# Altium PCB LimeSDR-X3_1v2.PcbDoc (part 10 of 25)
Units mm, origin at the board's own origin, x right, y up, seen from the top; angles counter-clockwise.
Board outline 232.5 x 111.15 mm, 12 copper layers (Top, L2, L3, L4, L5, L6, L7, L8, L9, L10, L11, Bottom), stack 1.596 mm thick; 2084 components, 1388 nets, 8919 pads, 3667 vias.
Unrouted connection lines stored in the file: 1.
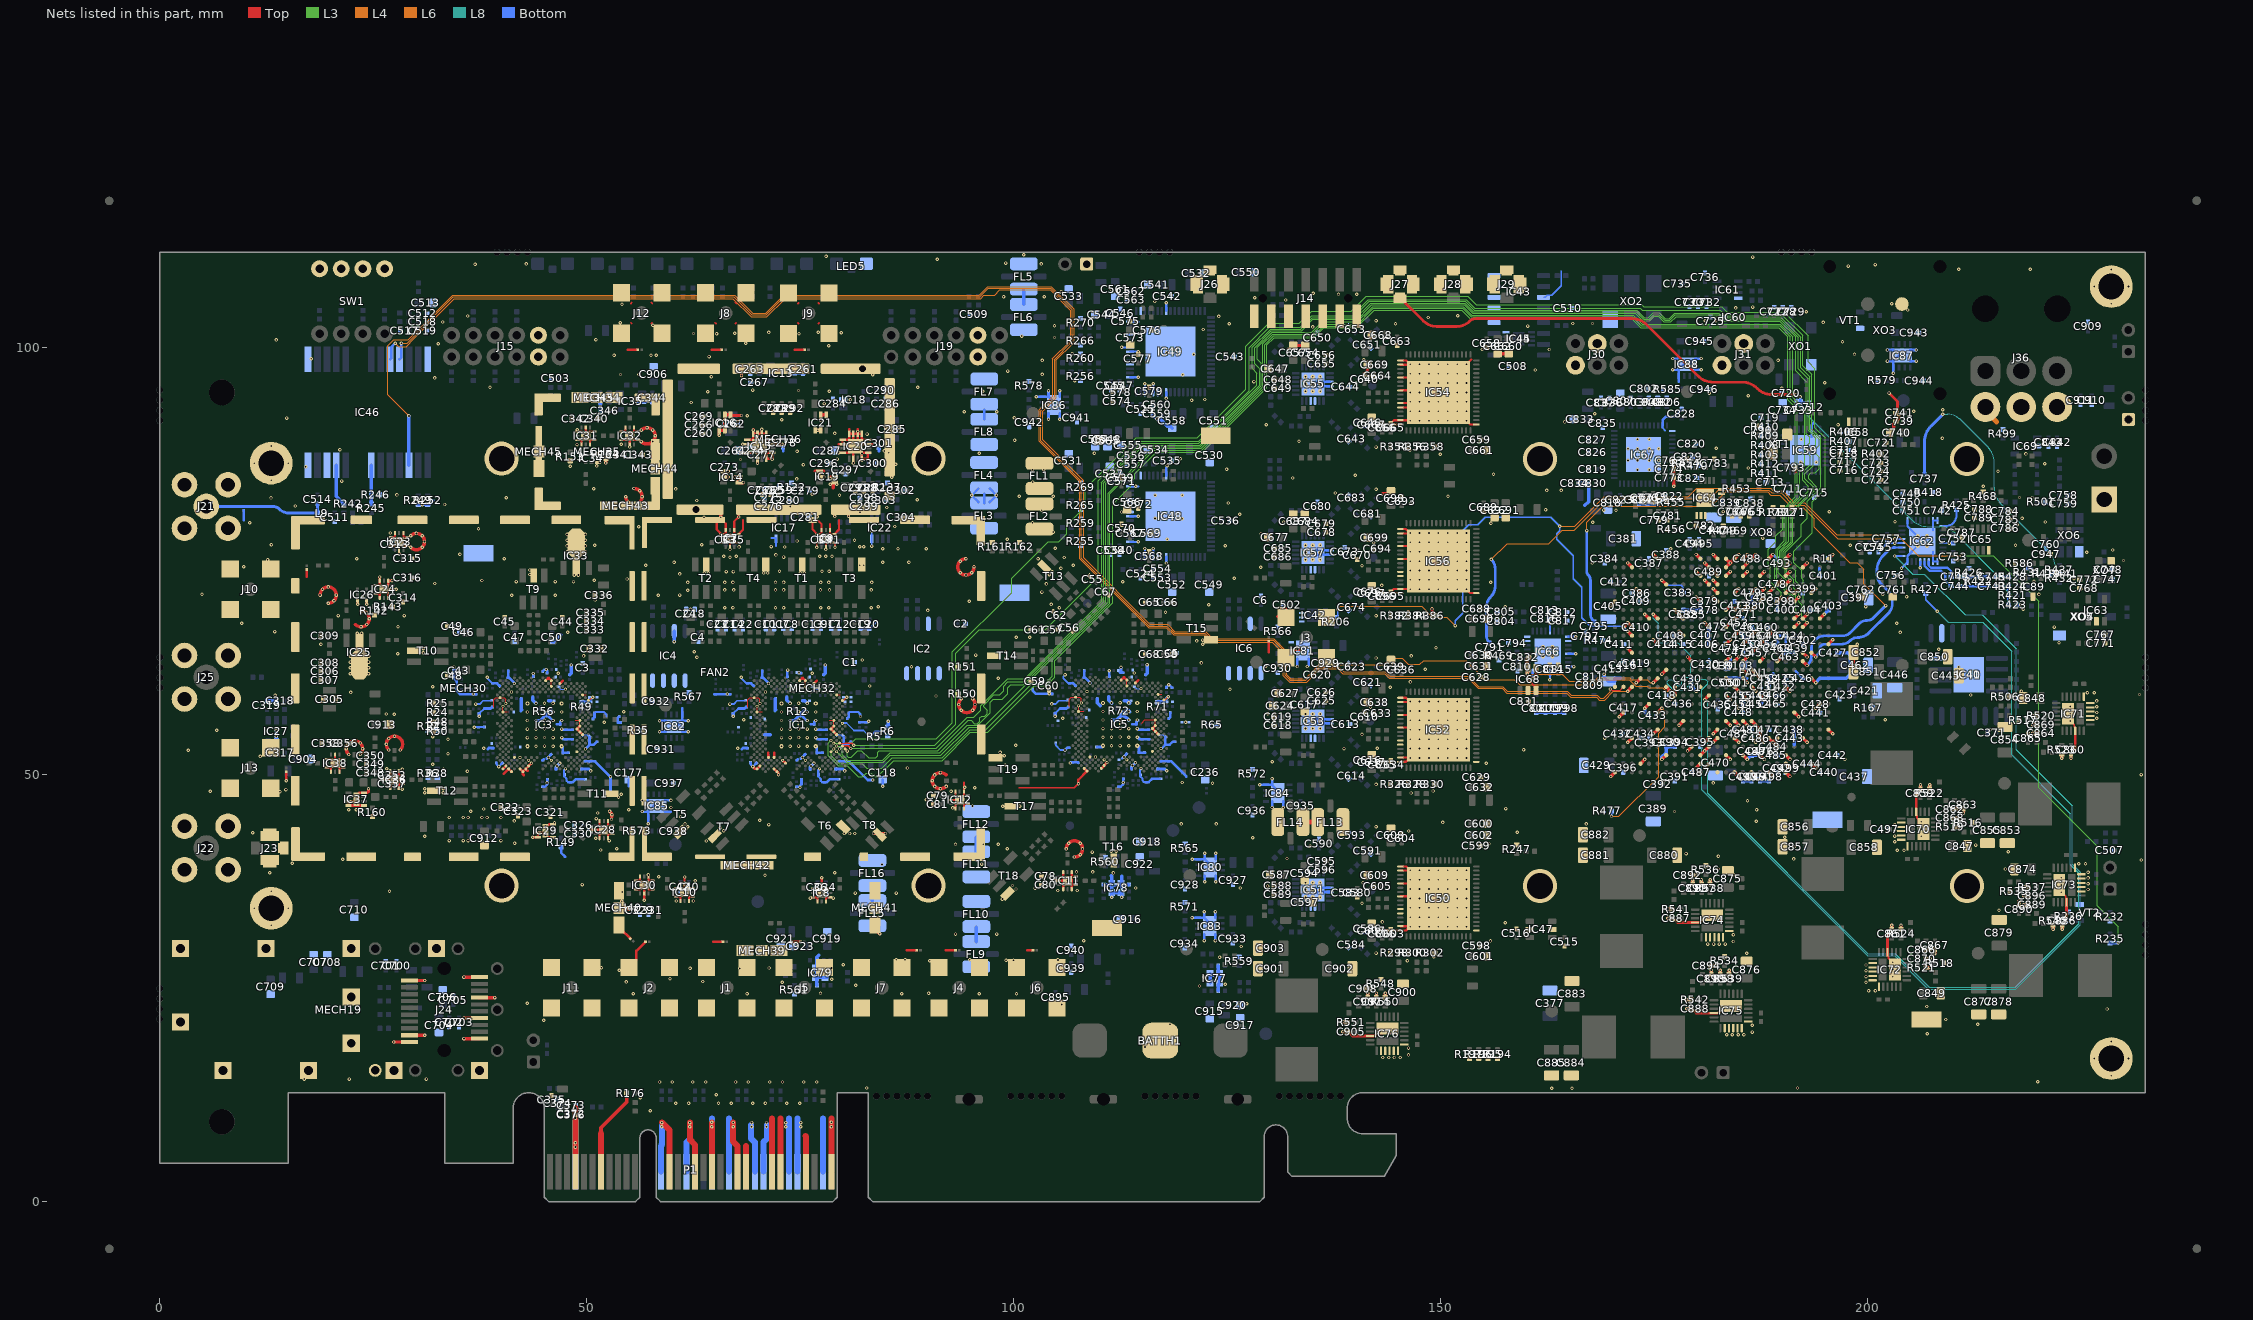
[diagram p20: the nets of this part, all layers, seen from the top]

## Via types
v1: diameter 0.4, hole 0.2, Top to Bottom, tented both sides, 3084 vias
v2: diameter 0.35, hole 0.2, Top to Bottom, tented both sides, 272 vias
v3: diameter 0.5, hole 0.2, Top to Bottom, tented bottom, 196 vias
v4: diameter 0.5, hole 0.2, Top to Bottom, tented both sides, 102 vias
v5: diameter 0.8, hole 0.4, Top to Bottom, tented both sides, 12 vias
v6: diameter 0.6, hole 0.3, Top to Bottom, tented both sides, 1 vias

## Nets (pads, with @x,y where several pads share a name; then routed paths per layer and width w, separated by ;. In a path a pad name is that pad's centre, name@x,y a point inside that pad or via, vN(x,y) a via of type N, cw(c..) or ccw(c..) an arc to the next point about the centre after c; other vN are vias at no path point) (continued)
GND: (continued)
  Bottom w0.3: 9.825,79.798 ESD14.2@9.825,80.95 ; R249.1@30.25,81.6 31.5,81.6 32,82.1 ; C43.1@34.491,62.182 34.491,61.234 34.746,60.979 34.746,59.821 35.136,59.432 C197.2@37.015,59.432 ; 38.391,52.982 38.523,53.114 C173.2@39.024,53.114 ; C188.2@38.976,60.693 39.475,60.693 C154.2@39.773,60.396 ; C156.2@40.748,61.345 40.867,61.345 41.499,60.712 v2(41.499,60.668) ; C156.2@40.777,61.374 C169.1@40.777,62.16 ; C190.2@43.719,61.487 v1(43.719,61.838) ; C193.2@44.796,51.668 C193.2@44.941,51.813 ; C189.2@44.801,62.082 44.801,62.107 44.826,62.107 45.007,62.287 45.222,62.287 v1(45.241,62.307) ; C175.2@44.803,48.577 45.065,48.577 45.372,48.885 C164.2@45.372,49.48 ; 45.299,51.882 C147.2@45.783,52.367 ; C143.2@45.343,61.929 v1@45.343,62.185 ; 46.441,55.888 C179.2@46.866,55.888 46.871,55.888 46.871,56.174 v1(47.031,56.334) ; R149.1@46.975,41.55 46.975,40.85 47.425,40.4 ; v4(47.031,53.334) 47.161,53.204 C192.2@47.161,52.544 ; v1(47.031,54.334) 47.221,54.143 C152.2@47.546,54.143 C153.2@48.321,54.143 ; v1(47.031,55.334) 47.121,55.243 C141.2@47.546,55.243 C142.2@48.321,55.243 ; C192.2@47.226,52.554 C160.2@47.831,52.554 ; C161.2@48.046,49.108 48.343,49.108 48.708,49.473 49.641,49.473 ; C186.2@49.781,51.553 50.948,51.553 v1(52.756,49.745) 52.756,47.619 ; v2(49.824,53.009) 50.296,53.48 ; C184.2@50.296,54.383 50.296,53.48 ; C151.2@50.711,56.544 50.886,56.719 C150.2@50.886,57.194 ; C185.2@51.162,53.852 50.79,53.48 50.296,53.48 ; C183.2@53.776,56.794 53.601,56.619 53.601,56.099 C182.2@53.931,56.099 ; 54.875,48.625 C177.1@54.875,49.394 ; v1(56.469,45.675) IC85.9@57.175,45.675 ; v1(56.469,46.975) IC85.9@57.175,46.975 ; v1(57.175,44.244) IC85.4@57.175,44.95 IC85.9@57.175,45.675 ; IC85.9@58.15,46.325 57.825,46.325 IC85.9@57.175,45.675 ; v1(58.498,55.017) IC82.9@59.205,55.017 ; v1(58.498,56.317) IC82.9@59.205,56.317 ; IC85.9@59.125,45.675 59.831,45.675 ; IC85.9@59.125,46.975 v1(59.831,46.975) ; IC82.9@60.18,55.667 60.505,55.667 IC82.9@61.155,56.317 ; IC82.9@61.155,55.017 v1(61.861,55.017) ; 61.155,57.749 IC82.9@61.155,56.317 ; v1(61.861,56.317) IC82.9@61.155,56.317 ; C140.2@64.886,59.432 C138.2@66.765,59.432 ; 68.141,52.982 68.273,53.114 C114.2@68.774,53.114 ; C129.2@68.726,60.693 69.225,60.693 C95.2@69.523,60.396 ; C97.2@70.498,61.345 70.617,61.345 71.249,60.712 v2(71.249,60.668) ; C97.2@70.527,61.374 C110.1@70.527,62.16 ; 72.971,87.848 C278.1@72.971,88.167 ; C131.2@73.469,61.387 73.469,62.163 73.517,62.21 v1(73.517,62.237) ; IC13.2@74.075,97.025 75.55,97.025 v1(75.75,97.225) ; C134.2@74.546,51.668 C134.2@74.691,51.813 ; C116.2@74.553,48.577 74.815,48.577 75.122,48.885 C105.2@75.122,49.48 ; 75.049,51.882 C88.2@75.533,52.367 ; 76.191,55.888 C120.2@76.616,55.888 76.621,55.888 76.621,56.174 v1(76.781,56.334) ; v4(76.781,53.334) 76.911,53.204 C133.2@76.911,52.544 ; v1(76.781,54.334) 76.971,54.143 C92.2@78.071,54.143 ; v1(76.781,55.334) 76.871,55.243 C89.2@77.296,55.243 C94.2@78.071,55.243 ; C133.2@76.976,52.554 C101.2@77.581,52.554 ; C102.2@77.796,49.108 78.093,49.108 78.458,49.473 C139.2@79.391,49.473 ; C127.2@79.531,51.553 80.698,51.553 82.88,49.371 v1(83.468,49.371) ; v2(79.574,53.009) 80.046,53.48 ; 80.046,54.383 80.046,53.48 ; C83.2@80.461,56.544 80.636,56.719 C82.2@80.636,57.194 ; C126.2@80.912,53.852 80.54,53.48 80.046,53.48 ; C123.2@81.9,56.126 C124.2@82.675,56.126 82.88,56.126 v1(83,56.246) ; 84.198,87.85 C301.1@84.198,88.168 ; v1(84.625,48.625) C118.1@84.625,49.394 ; FL3.2@95.838,81.922 v1(95.06,82.7) FL4.4@95.838,83.478 ; FL3.2@96.505,81.8 FL4.4@96.505,82.9 ; FL8.2@96.525,91.602 FL7.4@96.525,92.702 ; FL3.2@97.172,81.922 v1(97.95,82.7) FL4.4@97.172,83.478 ; C258.2@102.186,59.997 102.186,59.838 102.576,59.448 C256.2@104.455,59.448 ; v1(102.614,94.251) IC86.4@103.32,94.251 IC86.9@104.045,94.251 ; v1(104.045,91.595) IC86.9@104.045,92.301 ; v1(104.045,94.958) IC86.9@104.045,94.251 ; IC86.9@104.695,93.276 104.695,93.601 IC86.9@104.045,94.251 ; v1(105.345,91.595) IC86.9@105.345,92.301 ; IC86.9@105.345,94.251 v1(105.345,94.958) ; v1(105.975,52.875) 106.23,53.13 C232.2@106.464,53.13 ; C247.2@106.416,60.71 106.916,60.71 C213.2@107.213,60.412 ; v1@106.582,51.366 106.651,51.435 C231.2@106.868,51.435 107.479,51.435 C224.2@107.539,51.375 ; C215.2@108.188,61.361 108.307,61.361 108.939,60.729 v2@108.939,60.684 ; C215.2@108.217,61.39 C228.1@108.217,62.176 ; C249.2@111.16,61.458 v1@111.16,62.179 ; C234.2@112.243,48.594 112.505,48.594 112.812,48.901 C223.2@112.812,49.496 ; 112.69,51.936 C206.2@113.174,52.42 ; 113.881,55.905 C238.2@114.306,55.905 ; 113.972,55.905 C238.2@114.306,55.905 ; v4@114.471,53.35 114.601,53.22 C251.2@114.601,52.56 ; v1@114.471,54.35 114.662,54.16 C209.2@114.986,54.16 ; v1@114.471,55.35 114.562,55.26 C211.2@114.986,55.26 ; v1@114.471,56.35 114.311,56.19 114.311,55.905 C238.2@114.306,55.905 ; v4@114.562,53.35 114.692,53.22 C251.2@114.692,52.56 ; v1@114.562,54.35 114.752,54.16 C209.2@114.986,54.16 ; v1@114.562,55.35 114.652,55.26 C211.2@114.986,55.26 ; v1@114.562,56.35 114.402,56.19 114.402,55.905 C238.2@114.306,55.905 ; C251.2@114.666,52.57 C219.2@115.362,52.57 ; C220.2@115.486,49.125 115.783,49.125 116.148,49.49 C257.2@117.081,49.49 ; C212.2@115.761,54.16 C209.2@114.986,54.16 ; C212.2@115.852,54.16 C212.2@115.802,54.16 C209.2@114.986,54.16 ; C201.2@115.852,55.26 C201.2@115.761,55.26 C211.2@114.986,55.26 ; C245.2@117.221,51.57 118.388,51.57 120.196,49.762 ; v2@117.264,53.025 117.736,53.497 ; C243.2@117.736,54.4 117.736,53.497 ; C239.2@117.856,60.175 117.856,60.254 v1(118.125,60.524) 118.173,60.524 C240.2@118.521,60.175 ; C210.2@118.151,56.56 118.326,56.735 C207.2@118.326,57.21 ; C244.2@118.852,53.869 118.602,53.869 118.23,53.497 117.736,53.497 ; v1(120.86,33.225) IC83.4@121.566,33.225 IC83.9@122.291,33.225 ; v1(120.894,40.1) IC80.4@121.6,40.1 IC80.9@122.325,40.1 ; v1(122.291,30.569) IC83.9@122.291,31.275 ; v1(122.291,33.931) IC83.9@122.291,33.225 ; v1(122.325,37.444) IC80.9@122.325,38.15 ; v1(122.325,40.806) IC80.9@122.325,40.1 ; IC83.9@122.941,32.25 122.941,32.575 IC83.9@122.291,33.225 ; IC80.9@122.975,39.125 122.975,39.45 IC80.9@122.325,40.1 ; v1(123.591,30.569) IC83.9@123.591,31.275 ; IC83.9@123.591,33.225 v1(123.591,33.931) ; v1(123.625,37.444) IC80.9@123.625,38.15 ; IC80.9@123.625,40.1 v1(123.625,40.806) ; v1(128.794,48.8) IC84.4@129.5,48.8 IC84.9@130.225,48.8 ; v1(130.225,46.144) IC84.9@130.225,46.85 ; v1(130.225,49.506) IC84.9@130.225,48.8 ; IC84.9@130.875,47.825 130.875,48.15 IC84.9@130.225,48.8 ; v1(131.525,46.144) IC84.9@131.525,46.85 ; v1@133.195,62.833 IC81.9@133.195,63.539 ; IC81.9@133.845,64.514 IC81.9@133.845,64.839 ; 134.495,62.833 IC81.9@134.495,63.539 ; v4(135,36.5) 135.25,36.75 IC51.15@137,36.75 ; v4(135,56.25) 135.25,56.5 IC53.15@137,56.5 ; v4(135,76) 135.25,76.25 IC57.15@137,76.25 ; v4(135,95.75) 135.25,96 IC55.15@137,96 ; IC51.25@135.25,36.25 IC51.16@137,36.25 ; IC53.25@135.25,56 IC53.16@137,56 ; IC57.25@135.25,75.75 IC57.16@137,75.75 ; IC55.25@135.25,95.5 IC55.16@137,95.5 ; IC67.47@175.95,90.875 175.95,91.525 176.35,91.925 177.288,91.925 178.138,92.775 C828.1@178.199,92.775 ; v1(177.13,97.42) IC88.9@177.836,97.42 ; v1(177.13,98.72) IC88.9@177.836,98.72 ; 177.836,95.989 IC88.4@177.836,96.695 IC88.9@177.836,97.42 ; IC88.9@178.811,98.07 178.486,98.07 IC88.9@177.836,97.42 ; IC88.9@179.786,97.42 v1(180.492,97.42) ; IC88.9@179.786,98.72 v1(180.492,98.72) ; v1(181.425,94.675) C946.1@181.425,95.15 ; v1@183.868,69.782 C473.2@184.375,70.288 v1@184.882,69.782 ; v1(184.875,49.775) 185.4,49.25 186.35,49.25 v1(186.875,49.775) 187.4,49.25 C498.2@188.4,49.25 ; v1(184.875,59.775) 185.35,59.3 C448.1@185.35,57.285 ; v1@185.868,69.768 C380.2@186.375,70.275 ; C479.2@186.375,71.3 C380.2@186.375,70.275 ; C483.2@187.4,70.275 187.375,70.275 v1(186.875,69.775) C380.2@186.375,70.275 ; v1(188.875,75.775) C493.2@189.382,75.268 ; C468.2@189.375,65.275 C467.2@189.375,66.275 C424.2@190.375,66.275 C463.1@190.375,64.275 C439.2@191.375,64.275 ; C400.2@189.375,69.173 C398.1@189.375,70.325 ; C422.1@190.4,60.123 C425.2@190.4,61.275 ; 191.56,62.09 C426.2@192.375,61.275 ; v1@192.075,94.225 192.075,93.7 cw(c191.9,93.7) C733.2@191.9,93.525 C712.1@193.2,93.525 ; IC59.EP@193.4,89.55 IC59.22@193.4,90.175 ; IC59.22@193.4,90.425 193.4,90.925 193.65,91.175 ; 194.275,74.15 cw(c194.154,74.029) 194.325,74.029 C401.2@194.325,73.288 ; v1(202.28,98.42) IC87.9@202.986,98.42 ; v1(202.28,99.72) IC87.9@202.986,99.72 ; v1(202.986,96.989) IC87.4@202.986,97.695 IC87.9@202.986,98.42 ; IC87.9@203.961,99.07 203.636,99.07 IC87.9@202.986,98.42 ; IC87.9@204.936,98.42 v1(205.642,98.42) ; IC87.9@204.936,99.72 v1(205.642,99.72) ; R431.1@218.725,74.175 218.732,74.182 219.16,74.182 219.475,73.867
  Bottom w0.35: 37.972,57.735 38.719,57.735 C195.2@38.891,57.907 ; 42.247,57.46 42.372,57.585 ; 44.531,56.334 R56.2@45.251,57.053 ; v1@45.97,56.334 R56.2@45.251,57.053 ; v1(46.031,57.334) 45.781,57.584 R56.2@45.251,57.053 ; C163.2@46.377,50.613 46.377,50.894 v2(46.827,51.344) ; C196.2@49.356,50.643 50.229,50.643 v1(50.441,50.432) ; 67.722,57.735 68.469,57.735 C136.2@68.641,57.907 ; 71.997,57.46 72.122,57.585 ; 74.281,56.334 R12.2@75.001,57.053 ; v1@74.741,61.917 C84.2@75.07,61.917 ; v1@75.72,56.334 R12.2@75.001,57.053 ; v1(75.781,57.334) 75.531,57.584 R12.2@75.001,57.053 ; C104.2@76.127,50.613 76.127,50.894 v2(76.577,51.344) ; C137.2@79.106,50.643 79.979,50.643 v1(80.191,50.432) ; 105.412,57.751 106.159,57.751 C254.2@106.331,57.924 ; C225.1@109.707,53.241 v4@110.352,53.241 ; 111.971,56.35 R72.2@112.691,57.07 ; 112.062,56.35 R72.2@112.781,57.07 ; 112.431,61.933 C203.2@112.76,61.933 ; 112.531,61.933 v1(112.531,62.548) ; v1@113.411,56.35 R72.2@112.691,57.07 ; v1@113.44,56.405 v1@113.455,56.39 ; v1@113.471,57.35 113.428,57.394 113.221,57.6 R72.2@112.691,57.07 ; v1@113.486,56.365 R72.2@112.781,57.07 ; v1@113.562,57.35 113.312,57.6 R72.2@112.781,57.07 ; C222.2@113.771,50.67 113.771,50.951 v2@114.22,51.4 ; C255.2@116.796,50.66 117.67,50.66 v1(117.881,50.448)
  Bottom w0.4: C319.2@12.523,58.652 C318.1@13.573,58.652 ; C317.1@13.573,52.552 13.575,52.552 13.625,52.602 IC27.2@13.625,53.762 v1(13.625,54.467) v1(13.625,55.172) ; v1(37.372,56.824) C170.2@37.372,57.16 ; C168.1@42.307,58.885 42.307,57.65 42.372,57.585 ; C191.2@43.667,59.085 43.667,58.697 v1(44.031,58.334) ; v1(44.031,56.334) 44.531,56.334 ; C158.2@45.495,58.628 45.736,58.628 ; C50.1@45.938,65.576 46.135,65.576 46.941,66.382 ; v1@45.97,56.334 v1(46.031,56.334) ; C145.2@47.971,61.693 48.151,61.873 v1(48.151,62.838) ; R49.1@49.416,58.457 49.416,58.479 50.088,58.479 50.441,58.832 ; C346.2@51.56,92.6 v1(51.56,93.103) C345.1@51.56,93.65 ; v1(55.745,93.702) IC35.2@56.45,93.702 57.61,93.702 C344.1@57.658,93.652 C344.1@57.66,93.65 ; v1(60.225,65.575) 60.225,66.806 IC4.7@60.226,66.807 ; P1.A20@66.65,3.5 66.65,7.15 ; v1(67.122,56.824) C111.2@67.122,57.16 ; C107.1@70.822,54.665 71.467,54.665 ; C109.1@72.057,58.885 72.057,57.65 72.122,57.585 ; C132.2@73.417,59.085 73.417,58.697 v1(73.781,58.334) ; v1(73.781,56.334) 74.281,56.334 ; C99.2@75.245,58.628 75.486,58.628 v1(75.781,58.334) v1@75.781,58.439 ; v1@75.72,56.334 v1(75.781,56.334) ; IC79.PAD@76.775,26.25 IC79.PAD@78.15,26.25 ; IC79.PAD@76.775,27.35 IC79.PAD@78.15,27.35 ; IC79.3@76.925,25.325 76.925,28.6 77.15,28.825 ; C85.2@77.721,61.693 77.901,61.873 v1(77.901,62.838) ; IC79.PAD@77.875,26.25 IC79.PAD@77.875,27.35 ; FL15.4@83.425,35.249 FL16.2@83.425,36.999 ; R6.1@85.275,55.55 v1(85.275,56.246) ; FL9.4@95.575,30.45 FL10.2@95.575,32.147 ; FL11.4@95.591,40.971 FL12.2@95.591,42.668 ; FL6.2@101.156,105.05 FL5.4@101.156,106.85 ; v1(104.812,56.841) C229.2@104.812,57.176 ; C227.1@109.747,58.901 109.747,58.403 110.1,58.05 ; IC78.3@110.525,37.125 IC78.6@113.475,37.125 ; C250.2@111.107,59.101 111.107,58.714 v1@111.471,58.35 ; 111.375,38.175 111.45,38.1 v1(111.45,35.65) ; IC78.PAD@111.45,36.175 IC78.PAD@112.55,36.175 ; v1@111.471,56.35 112.062,56.35 ; v1(112.6,35.649) 112.6,38.1 ; C217.2@112.935,58.645 113.267,58.645 113.562,58.35 v1@113.562,58.455 ; 113.177,58.645 113.471,58.35 v1@113.471,58.455 ; v1@113.364,56.39 v1(113.425,56.39) ; v1@113.455,56.39 v1@113.516,56.39 ; C202.2@115.411,61.71 115.591,61.89 v1(115.591,62.855) ; C559.1@116.302,92.227 116.302,92.073 v1(116.725,91.65) 117.1,91.65 117.935,90.815 118.277,90.815 C558.1@118.527,90.565 ; R71.1@116.85,58.425 R71.1@116.85,58.495 ; R71.1@116.85,58.545 117.531,58.545 v1@118.093,59.107 ; IC77.PAD@122.85,26.5 IC77.PAD@124.225,26.5 ; IC77.PAD@122.975,25.725 IC77.PAD@122.975,25.6 IC77.PAD@122.975,26.7 ; IC77.6@123.925,24.675 123.925,25.45 IC77.PAD@124.075,25.6 IC77.PAD@124.075,26.7 ; IC77.PAD@123.925,26.675 IC77.3@123.925,27.625 ; C801.1@161.15,57.276 C800.1@162.25,57.276 C799.1@163.35,57.276 C798.1@164.45,57.276 ; C834.2@166.185,84.114 C830.1@167.285,84.114 167.285,81.96 166.85,81.525 ; v1(169.1,61.75) 169.1,61.425 C413.1@169.625,60.9 170.375,60.9 170.375,61.275 171.082,61.275 ; v1(171.875,67.775) C410.2@172.375,67.275 ; C824.1@173.185,81.689 175.464,81.689 v1(175.525,81.75) 176.26,82.485 C822.1@176.26,82.614 ; v1(173.875,57.775) 173.875,57.325 C433.2@174.275,56.925 ; v1(175.875,51.775) 175.875,52.068 176.375,52.568 176.375,53.25 C390.1@176.4,53.275 C394.2@177.4,53.275 ; C382.1@178.375,69.25 178.375,69.275 179.082,69.275 179.107,69.25 179.643,69.25 179.643,69.275 C378.1@180.325,69.275 ; C430.1@179.375,61.25 179.375,60.275 v1(179.875,59.775) ; v1(179.875,70.775) C379.2@180.375,70.275 C378.1@180.375,69.225 ; C406.1@181.375,65.275 C472.2@181.375,67.301 ; FR103.1@183.5,62.775 183.875,63.15 v1(183.875,63.775) ; C453.2@184.375,68.275 v1(184.875,68.775) C471.1@185.375,68.275 ; v1(184.875,66.775) C459.2@185.375,66.275 v1(185.875,65.775) ; v1(185.875,51.775) 186.35,52.25 C480.2@186.4,52.25 186.643,52.25 186.643,52.275 187.375,52.275 C476.1@187.4,52.25 v1(187.875,51.775) ; C450.2@186.375,65.275 v1(185.875,65.775) ; C461.2@186.375,67.275 v1(186.875,66.775) 186.375,66.275 v1(185.875,65.775) ; C486.2@186.425,54.225 v1(186.875,53.775) ; C452.2@187.375,58.25 187.875,58.75 v1(187.875,58.775) 187.4,59.25 C449.2@187.4,59.262 ; v1(187.875,65.775) C456.2@188.375,65.275 ; C451.2@188.375,60.3 188.375,61.3 188.9,61.825 ; 191.375,53.475 C438.1@191.375,55.275 ; v1(193.875,60.775) 194.375,61.275 196.597,61.275 196.599,61.277 197.477,61.277 197.95,61.75 197.95,63.945 197.62,64.275 C427.2@196.425,64.275 ; v1(194.875,68.775) 195.375,69.275 C403.2@195.4,69.275 ; C371.2@214.009,54.92 cw(c214.13,54.92) 214.044,55.005 v1(214.309,55.27)
  Bottom w0.7: P1.A4@48.65,3.5 C372.2@48.65,10.1 ; P1.A12@58.65,3.5 58.65,6.525 58.8,6.675 58.8,8.95 ; P1.A15@61.65,3.5 61.65,6.95 62.075,7.375 62.075,8.95 ; P1.A18@64.65,3.5 64.65,9.725 ; P1.A20@66.65,3.5 66.65,9.725 ; 69.225,8.95 69.225,7.375 69.65,6.95 P1.A23@69.65,3.5 ; P1.A24@70.65,3.5 70.65,6.95 71.075,7.375 71.075,8.95 ; P1.A27@73.65,3.5 73.65,9.725 ; P1.A28@74.65,3.5 74.65,9.725 ; P1.A31@77.65,3.5 77.65,9.725
  other v1: 48.65,6.388 48.65,6.887 58.75,8.75 62.025,8.75 67.125,8.762 69.275,8.75 71.025,8.75 73.275,8.75 75.025,8.75 64.625,8.775 78.625,8.775 58.75,9.25 62.025,9.25 69.275,9.25 71.025,9.25 73.275,9.25 75.025,9.25 64.625,9.275 78.625,9.275 48.65,9.784 57.4,10.65 60.4,11.5 61.9,11.5 65.4,11.5 66.9,11.5 69.4,11.5 70.9,11.5 73.4,11.5 74.9,11.5 56.225,12.15 65.125,12.5 162.975,13.275 165.35,13.275 82.75,13.3 191.75,13.3 58.5,14 60,14 62.4,14 63.9,14 67.4,14 68.9,14 71.4,14 72.9,14 75.4,14 76.9,14 219.875,14.05 16.88,14.35 22.15,14.35 31.2,14.35 228.5,14.75 226.5,16.75 230.5,16.75 143.2,16.875 143.875,16.875 144.55,16.875 145.225,16.875 146.2,17.175 146.2,17.975 115.35,18.1 228.5,18.75 183.45,19.55 184.125,19.55 184.8,19.55 185.475,19.55 206.95,19.65 186.45,19.85 186.45,20.65 118.275,20.75 212.875,20.775 44.95,21.25 209.125,21.325 228,22.553 206.875,22.85 105.6,23.075 127.275,23.175 43,23.225 55.425,24.35 68.75,24.35 86.875,24.35 95.95,24.35 100.3,24.35 77.35,24.375 90,24.4 200.075,24.7 200.875,24.7 121.724,25.245 81.475,25.325 124.75,25.45 199.775,25.675 72.875,25.7 54.6,25.725 63.575,25.775 78.65,26.025 59.725,26.1 122.225,26.3 199.775,26.35 123.55,26.425 76.325,26.8 199.775,27.025 53.775,27.075 67.9,27.3 62.075,27.325 71.325,27.35 78.625,27.35 51.7,27.375 138.1,27.475 199.775,27.7 80,27.75 90.15,28.2 146.075,28.2 99.075,28.25 99.95,28.25 105.15,28.3 86.225,28.325 87.25,28.325 94.825,28.325 124.075,28.625 149.15,28.675 185.825,29.075 142.4,29.1 126.6,29.875 181.251,30.154 181.926,30.154 182.601,30.154 183.276,30.154 184.251,30.455 155.8,30.525 108.175,30.55 184.251,31.254 93.15,31.325 98,31.325 13.025,32.35 157.525,32.65 143.15,32.75 215.35,34.125 11.025,34.35 15.025,34.35 140.752,34.952 60.44,35.2 62.465,35.2 98.65,35.425 76.145,35.544 78.83,35.544 81.4,36.125 86.2,36.125 54.125,36.25 26.875,36.325 13.025,36.35 105.125,36.425 107.425,36.425 225.775,36.55 100.241,36.604 102.475,36.675 114.275,36.725 126.5,36.725 129.7,36.95 99.834,37.011 49.45,37.125 225.775,37.225 140.874,37.35 62.675,37.575 225.775,37.9 58.4,38.05 70.85,38.225 57.2,38.25 184.275,38.275 111.65,38.487 12.85,38.5 79.025,38.5 225.775,38.575 107.325,38.6 109.225,38.6 182.491,38.95 216.1,38.95 84.55,39.475 96.225,39.525 224.675,39.55 225.475,39.55 15.475,39.625 232,40 21.4,40.1 191.3,40.125 131.975,40.175 182.491,40.45 178.7,40.75 109.175,40.925 216.425,40.975 111.4,41.025 111.975,41.025 203.425,41.15 204.225,41.15 51.6,41.175 53.477,41.326 99.2,41.325 191.375,41.525 134.675,41.625 212.625,41.75 93.156,41.825 96.4,41.853 98.15,41.85 155.625,41.925 41.525,41.975 203.125,42.125 63.975,42.225 33.875,42.275 35.5,42.275 36.075,42.275 37.7,42.275 38.3,42.275 39.925,42.275 52.625,42.275 51.025,42.55 127.975,42.6 190.275,42.675 31,42.775 203.125,42.8 45.144,42.919 80.125,43.1 80.75,43.1 81.35,43.1 10.875,43.175 158.925,43.25 146.225,43.4 66,43.425 203.125,43.475 65.625,43.8 61.813,43.885 45.144,43.919 142.4,43.9 71.275,44.15 203.125,44.15 61.477,44.221 119.575,44.225 123.675,44.225 167.025,44.225 46.2,44.35 150.225,44.4 186.925,44.525 41.5,44.575 70.225,44.65 52.875,44.75 51.075,44.85 33.875,44.975 35.5,44.975 36.075,44.975 37.7,44.975 38.3,44.975 39.925,44.975 60.95,45.075 52.925,45.3 51.275,45.5 177.35,45.675 36.4,45.7 22.091,45.882 22.991,45.882 23.666,45.882 54.9,45.9 186.957,45.888 37.925,45.975 157.575,46.025 92.825,46.1 59.831,46.15 134.2,46.175 98.679,46.3 95.15,46.325 100.679,46.317 22.991,46.582 185.896,46.949 89.75,47.05 53.689,47.364 54.025,47.7 146.5,47.85 30.996,47.87 33.156,47.87 14.05,47.975 92.64,48.037 5.9,48.05 149.075,48.075 14.75,48.25 28.366,48.282 30.996,48.345 33.156,48.345 95.4,48.475 94.24,48.512 74.95,48.525 142.4,48.85 123.25,49 45.325,49.025 181.875,49.025 112.8,49.075 119.718,49.075 175.95,49.2 154.925,49.225 169.875,49.775 232,50 53.4,50.3 36,50.4 28.391,50.607 33.2,50.625 26.55,50.675 87.525,50.775 98.975,51.1 31.95,51.2 155.3,51.325 106.593,51.354 130.25,51.5 197.3,51.775 11.75,52.125 98.875,52.2 33.725,52.425 98.375,52.6 3.3,52.85 159.675,52.925 13.625,53.057 138.65,53.05 37.903,53.087 67.653,53.087 142.525,53.1 44.031,53.334 45.031,53.344 46.031,53.334 73.781,53.334 74.781,53.344 75.781,53.334 111.425,53.39 113.425,53.39 112.425,53.4 100.225,53.45 33.725,54.125 169.175,54.275 43.031,54.334 44.031,54.334 46.031,54.334 72.781,54.334 73.781,54.334 75.781,54.334 45.031,54.344 74.781,54.344 110.425,54.39 111.425,54.39 112.425,54.4 113.425,54.39 114.425,54.39 31.95,54.425 140.752,54.702 6.65,55.2 43.031,55.334 44.031,55.334 45.031,55.344 46.031,55.334 72.781,55.334 73.781,55.334 74.781,55.344 75.781,55.334 110.425,55.39 111.425,55.39 112.425,55.4 113.425,55.39 114.425,55.39 31.95,55.6 186.875,55.775 52.016,56.132 120.093,56.121 130.475,56.25 43.031,56.334 45.031,56.344 72.781,56.334 74.781,56.344 110.425,56.39 111.425,56.39 114.425,56.39 112.425,56.4 68.353,56.437 202.025,56.425 105.725,56.6 226.8,56.6 27.425,57.075 26.5,57.1 129.725,57.125 226.8,57.275 43.031,57.334 44.031,57.334 47.031,57.334 72.781,57.334 73.781,57.334 76.781,57.334 45.031,57.344 54.316,57.357 74.781,57.344 110.425,57.39 111.425,57.39 112.425,57.4 113.425,57.39 114.425,57.39 141.75,57.875 226.8,57.95 160.6,57.976 161.7,57.976 162.8,57.976 163.9,57.976 45.031,58.344 46.031,58.334 74.781,58.344 111.425,58.39 112.425,58.4 113.425,58.39 19.079,58.602 20.629,58.602 226.8,58.625 19.079,59.052 20.629,59.052 90.875,59.2 13.475,59.275 212.05,59.325 231.8,59.375 36.678,59.437 66.428,59.437 104.118,59.454 225.7,59.6 226.5,59.6 22.35,59.625 217.975,59.75 125.3,60 144.05,60.225 31.95,60.275 83.1,60.371 146.425,60.85 98.15,61.275 18.725,61.55 105.987,61.693 186.875,61.775 22.279,61.827 24.429,61.827 46.647,61.882 76.397,61.882 136.525,61.875 114.087,61.899 74.831,61.917 111.15,62.175 148.175,62.325 22.279,62.502 24.429,62.502 34.425,62.6 210.65,62.6 88.002,62.646 133.195,62.658 134.345,62.658 129.475,62.675 144.4,62.85 121.95,63.075 22.279,63.177 24.429,63.177 82.25,63.421 99.036,63.609 142.4,63.65 62.875,63.75 22.279,63.852 24.429,63.852 49.6,63.9 146.525,63.9 95.525,64 27.85,64.15 30.84,64.245 99.008,64.349 62.55,64.375 50.15,64.525 51.7,64.525 133.2,64.65 208.3,64.675 30.84,64.72 149.425,64.85 156.3,64.9 50.15,64.975 51.7,64.975 198.75,65.25 18.85,65.275 122.103,65.275 222.375,65.45 121.4,65.65 122.103,65.75 100.275,66.1 101.85,66.1 34.5,66.475 23.104,66.552 23.604,66.552 203.775,66.65 47.741,66.684 13.45,66.75 221.825,67.275 27.875,67.325 162.725,67.696 9.575,67.725 203.375,67.725 157.25,68.5 142.4,68.6 20.875,68.625 28.6,68.625 117.75,69.025 143.975,69.025 89.9,69.225 218.2,69.35 62.125,69.375 66.141,69.525 67.091,69.525 72.075,69.525 73.025,69.525 77.367,69.525 78.317,69.525 83.3,69.525 105.325,69.525 84.125,69.65 157.525,69.65 199.75,69.675 122.8,69.875 104.35,69.925 94.779,70.293 50.95,70.45 204.525,70.825 23.679,70.852 41.2,71 46.3,71 58.35,71 18.75,71.025 60.849,71.025 201.75,71.1 220.025,71.1 4.925,71.125 103.275,71.375 61.8,71.6 66.125,71.625 67.175,71.625 72.075,71.625 73.025,71.625 77.35,71.625 78.4,71.625 83.275,71.625 143.075,72.15 103.8,72.325 32.175,72.375 61.799,72.5 66.141,72.5 67.091,72.5 72.075,72.5 73.025,72.5 77.367,72.5 78.317,72.5 83.335,72.5 108.275,72.525 155.825,72.525 112.725,72.575 41.725,72.6 46.275,72.6 48.425,72.6 219.45,72.625 37.7,72.725 50.85,72.775 54.7,72.9 221.8,72.9 224.125,72.95 125.8,73 48.5,73.363 49,73.363 104.137,73.411 43.316,73.432 60.849,73.5 63.733,73.605 64.208,73.605 70.708,73.605 71.183,73.605 74.959,73.605 75.434,73.605 104.473,73.747 66.325,73.775 67.15,73.775 72.55,73.825 77.525,73.825 78.35,73.825 43.316,73.957 105.5,74.175 128.9,74.275 9.8,74.325 140.752,74.452 56.9,74.5 81.935,74.505 82.41,74.505 106.95,74.525 167.725,74.775 60.2,74.85 84.625,74.85 87.7,74.85 229.925,75.075 12.6,75.15 210.5,75.15 23.05,75.275 40.325,75.275 102.825,75.275 105.9,75.425 66.75,75.45 73.025,75.475 67.471,75.572 78.697,75.572 66.024,75.575 77.25,75.575 77.975,75.575 72.125,75.725 35.125,75.8 225.625,76.025 47.67,76.101 49.819,76.101 228.675,76.3 84.625,76.45 86.425,76.45 89.725,76.45 176.9,76.448 104.85,76.5 67.81,76.66 73.15,76.65 81.933,76.665 82.408,76.665 71.575,76.7 47.67,76.776 49.819,76.776 124.725,76.8 50.925,76.85 197.925,76.852 217.275,76.85 13.05,76.9 63.45,76.925 203.141,77.1 142.125,77.15 74.6,77.35 47.67,77.451 49.819,77.451 81.325,77.45 99.225,77.55 117.95,77.55 187.675,77.7 47.67,78.126 49.819,78.126 128.925,78.225 26.973,78.289 104.6,78.402 37.3,78.775 56.05,79.025 86.025,79.05 217.475,79.275 155.85,79.425 10.5,79.5 102.175,79.498 167.775,79.55 131.6,79.575 220.775,79.575 203.166,79.6 96.425,79.775 119.7,79.975 116.525,80 218.05,80.007 63.7,80.125 126.45,80.5 76.068,80.63 81.975,80.725 195.475,80.775 183.05,80.803 103.25,80.952 170.5,80.95 169.05,80.975 162.25,81.025 85.1,81.275 73.8,81.4 15.85,81.45 30.7,81.6 33.325,81.625 146.475,81.775 186.675,81.775 125.1,81.8 62.85,82.1 88.675,82.2 13,82.4 40.55,82.425 217.751,82.45 219.263,82.45 100.625,82.6 104.6,82.6 150.825,82.6 116.525,82.7 119.718,82.7 79.575,82.725 27.75,82.75 76.4,82.825 137.625,82.975 162.4,83.275 164.075,83.275 142.4,83.4 60.4,83.45 50.8,83.475 213.5,83.75 114.253,83.753 78.5,84 79.25,84 68.325,84.2 102.2,84.252 21.3,84.375 13.025,84.475 74.55,84.625 78.5,84.65 132.65,84.735 113.725,84.8 85.7,84.825 139.975,85.05 156.15,85.175 215.225,85.525 173.015,85.675 174.385,85.675 102.175,85.702 103.485,85.702 124.9,85.75 186,85.9 17.05,86.05 48.036,86.119 51.161,86.144 117.928,86.153 75.35,86.3 86.175,86.325 220.7,86.4 11.025,86.475 15.025,86.475 51.481,86.545 192.125,86.575 193.95,86.575 84.875,86.65 171.9,86.79 173.015,86.79 174.385,86.79 175.5,86.79 67.975,86.9 71.7,86.9 79.3,86.95 119.5,86.975 51.159,87.069 149.925,87.5 218.5,87.55 51.486,87.594 82.2,87.6 95.95,87.625 109.425,87.625 85.35,87.675 74.6,87.85 84.825,87.9 146.35,87.975 21.075,88.05 193.2,88.1 171.9,88.16 173.015,88.16 174.385,88.16 175.5,88.16 187.825,88.2 182.225,88.225 55.011,88.37 142.4,88.35 217.575,88.4 13.025,88.475 48.836,88.644 53.999,88.67 133.375,89.025 100.075,89.15 173.015,89.275 174.385,89.275 192.2,89.275 208.725,89.4 49.658,89.669 82.8,89.875 79.025,89.95 81.7,90.174 85,90.225 86.55,90.225 77.037,90.325 69.472,90.347 48.861,90.394 85,90.675 86.55,90.675 66.125,90.85 67.675,90.85 129.55,90.95 196.5,90.95 186.475,91.225 66.125,91.3 67.675,91.3 164.475,91.3 72.8,91.55 14.85,91.75 100.05,91.8 68.775,92.025 203.6,92.125 168.025,92.25 94.17,92.475 97.97,92.475 205.375,92.55 208.775,92.725 77.8,93.45 62.225,93.575 57.155,93.702 120.8,93.825 80.85,93.9 122.35,93.925 177.55,94 192.05,94.225 186,94.35 64.15,94.825 96.35,94.875 78.375,94.9 74.775,94.975 69.425,95.025 189.925,95.25 38.65,95.35 88.725,95.35 194.95,95.9 128.1,96.025 107.125,96.125 32.175,96.45 64.575,96.575 83.45,96.825 119.75,96.825 53.925,96.85 56.075,96.85 103.3,96.858 99.275,97.25 161.05,97.375 103.3,98.5 189.475,98.525 140.975,98.575 17.7,98.7 64.3,98.95 53.175,99.1 57.5,99.1 58.125,99.1 121.05,99.2 198.425,99.2 106.825,99.3 117.9,99.4 154.825,99.775 162.7,99.775 132.1,99.8 78.325,100.225 32.6,100.45 68.6,100.5 197.025,100.675 13.625,100.9 51.05,100.925 104.75,101.179 100.9,101.35 65.175,101.625 74.825,101.625 62.475,101.65 67.3,101.675 79.775,101.725 71.3,101.775 77.1,101.8 122.175,102.125 135,102.425 160.15,102.525 104.75,102.575 57.725,102.625 125.2,102.8 144.675,102.8 165.425,102.825 167.75,102.825 53.9,102.9 194.75,102.95 33.1,103 114.303,103.028 142.4,103.15 180.95,103.15 182.2,103.15 148.525,103.525 123.975,103.65 36.05,103.7 151.975,103.725 192.775,104.2 204.65,104.4 184.525,104.65 186.525,104.75 54.1,105.075 202.775,105.15 228.5,105.15 116.5,105.4 131.825,105.575 128.2,105.85 98.781,105.95 103.531,105.95 138,106.225 140.125,106.25 135.05,106.375 105.525,106.575 111.4,106.8 226.5,107.15 230.5,107.15 228.5,109.15 210.625,109.175 219,109.175 197.7,109.55 200.85,109.725 36.9,109.775 42.875,109.8 103.2,109.8 99.025,109.9 91.025,110.35 186.5,110.6 78,110.7 101.156,110.875